# Allegro board RK3576_TEMPLATE_LP4XD200P132SD6_24X34_2133MHz_H1R6_V11_20240529YWQ.brd (continued)
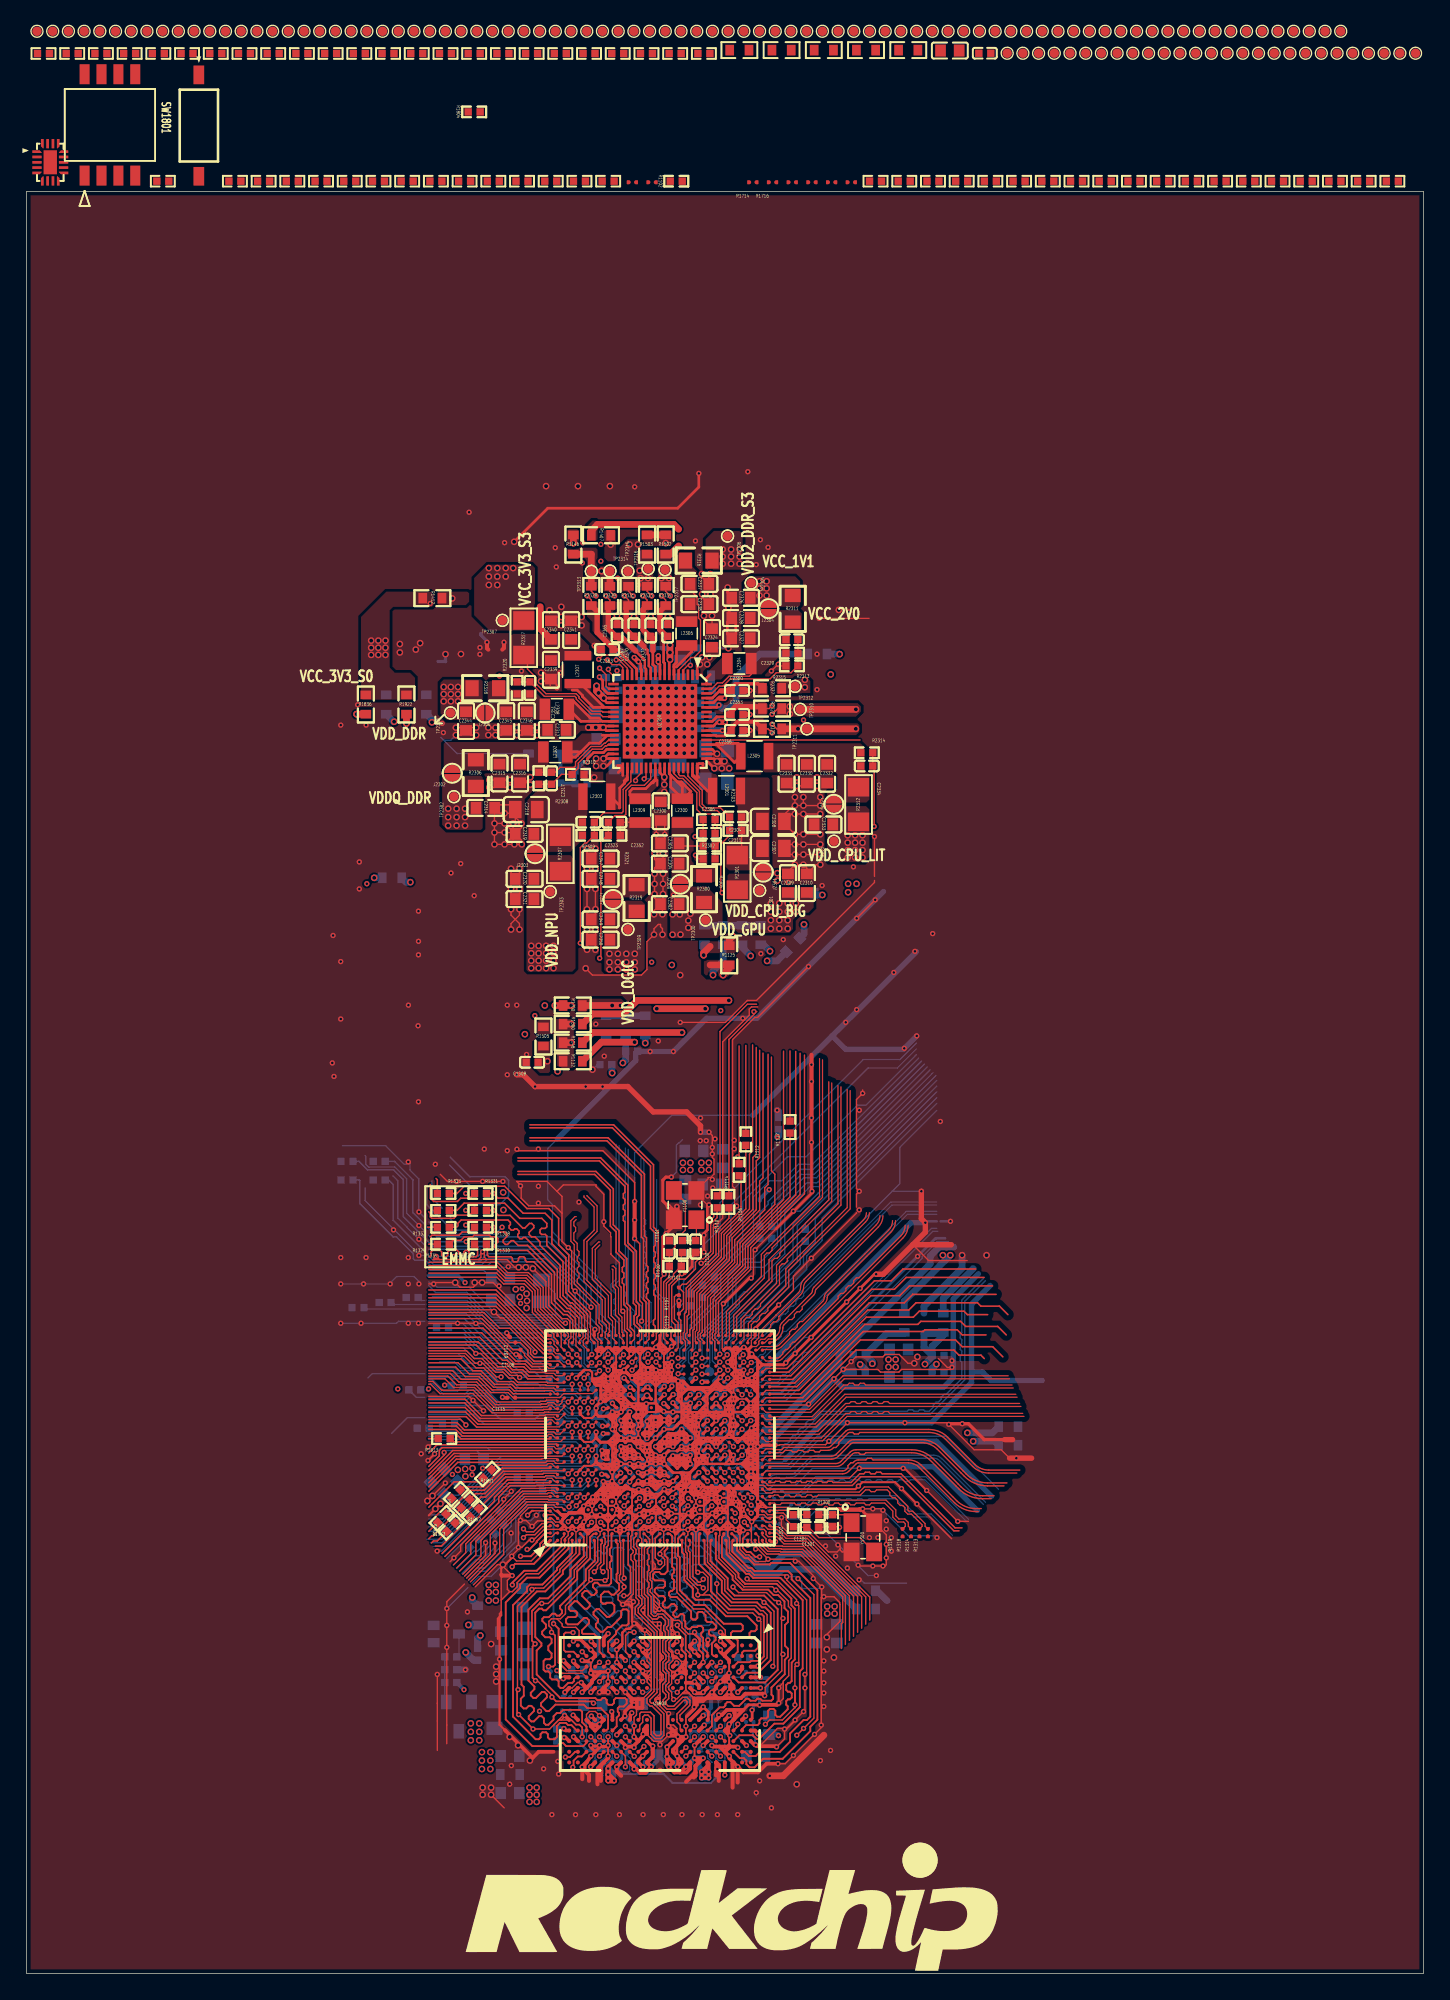
[diagram p0: board, top side]
## Routing (per net, layer and track width the routed paths; a pad name or vN(x,y) marks a point on that pad's centre or on a via; arc(x,y) is an arc through that point) (continued)
  L4-SIG w0.089: v1(46.73,34.56) 46.44,34.84 46.44,35.48 v1(46.73,35.76) ; v1(44.88,34.6) 45.53,33.95 45.53,33.34 46.23,32.64 46.23,32.51 ; 51.85,23.67 51.85,22.91 v1(51.52,22.59) 51.98,22.13 ; 43.85,17.14 43.92,17.14 44.24,16.81 44.4,16.81 44.7,16.51 ; 43.81,22.74 43.86,22.74 44.34,22.26 44.51,22.26 44.7,22.07 44.7,21.8 44.51,21.61 44.2,21.61 43.81,21.23 ; 39.98,26.7 39.62,27.05 39.37,26.8 ; v1(54.99,35.46) 54.99,32.54 54.97,32.51 ; v1(39.47,25.65) 39.37,25.75
  L4-SIG w0.102: v1(51.52,21.14) 51.17,20.78 50.08,20.78 49.87,20.99 49.87,21.58 ; 43.94,30.3 43.94,29.39 44.25,29.08 ; 43.94,30.3 43.94,30.46 43.81,30.59 ; 43.94,30.3 44.25,29.99 44.25,29.08 ; 37.97,30.34 37.97,31.73 38,31.75 v1(38,32.58) 37.64,32.23 37.3,32.23 37.1,32.03 v1(36.98,32.03) ; v1(50.22,16.19) 50.02,15.98 49.28,15.98 v1(48.92,16.34) 48.59,16.67 48.01,16.67 47.62,17.05 v1(47.62,17.2) 47.62,17.27 47.58,17.32 47.58,20.37 v1(47.48,20.47) 47.48,20.5 47.53,20.55 47.53,20.62 47.58,20.68 v1(47.58,26.28) v1(47.58,27.38) 47.58,28.87 46.86,29.59 46.86,33.22 v1(46.77,33.31) ; v1(52.17,21.94) 51.98,22.13 ; v1(49.57,18.59) 48.9,19.27 48.9,20.43 48.72,20.6 v1(48.65,20.6) 48.65,20.67 48.52,20.8 48.52,22.21 ; v1(49.57,18.59) 49.74,18.59 50.16,18.16 ; v1(49.57,18.59) 50,18.16 50.16,18.16 ; 37.85,25.17 37.85,24.38 ; 37.85,25.17 37.91,25.1 ; 37.85,25.17 37.85,28.72 37.91,28.78 ; 37.85,24.38 37.85,23.75 ; 37.85,24.38 v1(38.24,24.78) 37.91,25.1 ; 57.15,28.01 57.15,28.42 54.64,30.93 54.64,31.73 v1(54.82,31.91) ; 57.15,28.01 57.15,27.18 ; 57.15,28.01 v1(56.34,28.82) ; v1(44.93,33.36) 44.93,33.05 45.63,32.35 v1(45.63,27.94) 46.26,27.3 v1(46.35,27.3) 46.48,27.17 v1(46.48,25.8) 46.68,25.6 46.68,21.02 45.85,20.19 v1(45.67,20.19) 45.21,20.19 44.99,19.97 v1(44.99,19.35) ; 37.91,25.1 37.91,28.45 ; 48.53,33.33 48.53,33.3 48.52,33.3 48.52,25.92 ; v1(42.42,23.54) 42.42,23.47 43.03,22.86 43.6,22.86 v1(43.73,22.74) ; v1(42.42,23.54) v1(42.42,24.34) ; v1(42.42,23.54) v1(41.77,23.54) 41.16,24.15 ; v1(52.83,21.14) 53.18,20.78 53.62,20.78 53.91,21.07 53.91,22.84 53.65,23.1 53.34,23.1 ; v1(53.48,16.99) 53.42,16.93 51.78,16.93 51.57,17.14 v1(51.52,17.14) v1(50.87,17.79) 50.88,17.79 51.23,18.14 52.62,18.14 v1(52.88,17.89) 53.12,17.89 54.36,19.12 54.36,19.12 55.5,20.27 55.5,20.68 ; v1(53.48,16.99) 53.68,16.78 54.42,16.78 v1(54.82,17.19) 54.9,17.19 55.38,17.67 55.38,18.56 ; v1(53.48,16.99) 53.48,17.14 54.75,18.41 55.24,18.41 55.38,18.56 ; 55.38,18.56 v1(55.55,18.73) 56.55,19.73 v1(56.55,20.32) v1(56.55,21.46) ; v1(43.73,21.14) 43.81,21.23 ; 49.87,22.29 v1(50.22,21.94) 49.87,21.58 ; 49.87,22.29 49.87,21.58 ; 49.87,22.29 49.87,22.29 49.87,22.29 49.87,25.17 50.23,25.52 v1(50.23,25.65) 50.1,25.65 49.87,25.87 49.87,26.74 49.32,27.29 49.32,32.68 49.72,33.09 49.72,33.36 v1(49.73,33.36) ; 42.68,15.15 42.26,14.73 40.51,14.73 40.26,14.99 v1(40.01,14.99) 39.27,14.99 v1(38.87,15.38) 36.97,17.28 ; 42.68,15.15 42.14,15.15 v1(41.77,15.52) 41.77,15.88 41.02,16.64 40.01,16.64 39.27,17.37 39.27,19 38.57,19.7 v1(38.57,19.71) ; 42.68,15.15 42.81,15.28 42.95,15.28 v1(42.96,15.27) ; 50.16,18.16 50.42,18.16 50.55,18.29 ; v1(54.99,23.11) 55.25,22.86 55.25,22.82 55.62,22.45 55.62,22.09 55.55,22.03 55.55,21.09 55.5,21.03 v1(55.5,20.88) 55.5,20.68 ; v1(54.99,23.11) 54.99,22.86 54.83,22.7 54.83,20.38 55.02,20.19 55.09,20.19 v1(55.12,20.17) 55.12,20.19 55.24,20.32 55.24,20.42 55.5,20.68 ; v1(54.99,23.11) v1(54.99,23.88) 55.29,24.18 55.29,26.41 55.07,26.63 v1(55.05,26.63) 55.05,26.64 55.05,26.78 54.48,27.35 54.48,28.19 54.23,28.45 53.38,28.45 53.12,28.72 v1(53.12,29.05) 53.12,29.94 52.51,30.55 52.51,34.18 52.12,34.57 v1(52.12,34.65) ; v1(52.84,16.32) 52.86,16.32 52.91,16.27 54.76,16.27 55.83,17.35 55.83,18.17 57.15,19.48 57.15,23.72 v1(56.87,23.99) v1(56.87,26.69) 56.87,26.9 57.15,27.18 ; v1(56.31,32.46) 56.53,32.25 56.73,32.25 57.8,31.18 v1(57.8,30.99) 58.07,30.99 59.15,29.9 v1(59.15,29.69) v1(59.79,29.05) 59.79,28.71 59.37,28.3 59.37,23.49 59.75,23.11 v1(59.75,18.67) 59.37,18.29 59.37,18.1 v1(59.25,17.97) v1(57.66,16.38) 57.04,15.76 v1(56.5,15.76) 55.58,14.84 53.4,14.84 52.97,15.27 52.04,15.27 v1(51.94,15.37) 51.89,15.37 51.67,15.59 50.43,15.59 49.56,14.72 45.19,14.72 v1(44.38,15.54) 44.73,15.89 44.73,16.48 44.7,16.51 ; v1(42.42,24.34) 42.04,24.72 42.04,25.47 ; v1(42.42,24.34) 42.83,24.74 42.83,25.11 42.57,25.37 42.14,25.37 42.04,25.47 ; 56.39,17.02 56.39,16.94 56.76,16.57 57.05,16.57 57.71,17.23 57.71,17.71 v1(57.91,17.91) v1(58.42,18.41) 58.53,18.52 58.53,19.58 v1(58.42,19.68) 58.53,19.79 v1(58.53,21.46) v1(58.53,22.48) 58.53,28.71 58.29,28.94 58.29,29.39 v1(58,29.68) 57.84,29.84 57.16,29.84 v1(57.15,29.83) ; 56.39,17.02 54.91,15.54 v1(53.48,15.54) 53.27,15.74 52.38,15.74 52.14,15.98 51.38,15.98 51.18,16.19 v1(50.88,16.19) ; 56.39,17.02 v1(56.39,17.03) 56.39,17.15 56.99,17.75 v1(56.99,18.37) 57.12,18.37 57.78,19.03 v1(57.78,19.05) 57.78,19.06 57.78,20.18 v1(57.77,20.19) 57.78,20.2 57.78,21.45 v1(57.77,21.46) 57.78,21.47 57.78,23 57.93,23.15 v1(57.93,23.23) 57.9,23.26 v1(57.9,27.81) 57.9,28.42 57.28,29.04 57.28,29.7 v1(57.15,29.83) ; 41.16,24.15 40.59,24.72 40.59,25.19 ; 41.16,24.15 41.16,24.94 v1(41.11,24.99) 40.8,24.99 40.59,25.19 ; 40.59,25.19 40.59,25.6 41.02,26.03 41.02,32.21 41.91,33.11 v1(41.91,33.95) 42.15,34.18 42.15,34.18 v1(42.48,34.52) ; v1(46.34,15.52) 46.75,15.11 48.5,15.11 v1(48.92,15.54) ; v1(50.87,19.39) 50.84,19.39 v1(50.2,20.02) 49.47,20.75 49.47,26.57 48.92,27.13 48.92,32.89 49.15,33.12 49.15,33.94 48.51,34.58 v1(48.48,34.58) ; v1(43.07,18.74) 43.45,18.36 43.45,17.51 v1(43.08,17.14) ; v1(43.07,18.74) 42.58,18.74 42.11,19.2 42.11,20.35 ; v1(43.07,18.74) v1(43.07,19.39) 42.11,20.35 ; 37.91,28.45 38,28.53 v1(38,28.87) 37.91,28.78 ; 37.91,28.45 37.91,28.78 ; 37.85,23.75 37.85,22.43 v1(38.26,22.01) v1(39.5,20.78) 39.52,20.78 39.99,20.3 ; 37.85,23.75 37.91,23.82 37.91,22.57 39.99,20.49 39.99,20.3 ; v1(43.08,21.14) 43.08,21.19 42.67,21.59 42.58,21.59 41.78,22.39 40.62,22.39 40.44,22.56 40.44,22.67 39.62,23.49 39.62,25.49 v1(39.47,25.65) ; 53.34,23.1 v1(52.83,22.59) ; 53.34,23.1 53.34,27.05 51.9,28.5 v1(51.9,29.3) ; 57.15,27.18 56.55,27.77 v1(56.55,27.88) ; v1(43.73,22.74) 43.73,22.77 44.07,23.11 44.1,23.11 v1(44.38,23.39) 44.07,23.69 44.07,23.75 43.94,23.88 43.94,25.33 v1(43.72,25.55) 44.59,25.55 44.83,25.79 44.83,26.97 44.25,27.54 44.25,29.08 ; v1(43.73,22.74) 43.81,22.74 ; 48.52,25.92 v1(48.92,25.52) 48.52,25.12 ; 48.52,25.92 48.52,25.12 ; 42.11,20.35 42.11,20.63 41.96,20.78 40.83,20.78 v1(40.48,21.14) 40.26,21.14 39.34,22.06 39.34,22.98 v1(39.24,23.07) ; 54.97,32.51 54.97,32.38 55.24,32.38 55.88,31.75 55.88,31.27 v1(55.75,31.14) 55.88,31.14 57.15,29.87 v1(57.15,29.83) ; 42.04,25.47 42.04,30.48 42.14,30.58 43.81,30.58 43.81,30.59 ; v1(43.73,21.94) 43.68,21.94 43.3,22.31 42.7,22.31 v1(42.42,22.59) 42.15,22.86 40.9,22.86 40.38,23.37 v1(40.38,23.51) 40.15,23.74 40.15,25.75 40.51,26.12 40.51,32.55 40.74,32.77 ; 52.18,25.52 52.53,25.17 52.53,24.82 52.18,24.46 v1(52.18,24.34) ; 52.18,25.52 51.82,25.17 51.82,24.69 v1(52.18,24.34) ; 52.18,25.52 v1(52.18,25.65) 52.18,26.31 50.47,28.01 v1(50.47,28.46) v1(50.47,30.15) 50.47,30.15 50.47,31.99 51.48,33.01 v1(51.48,33.32) 51.48,33.5 51.17,33.81 51.17,34.21 v1(51.56,34.6) ; 36.52,29.91 36.84,29.91 36.9,29.97 ; 39.37,26.8 39.29,26.72 39.29,25.82 39.37,25.75 ; 37.85,34.98 37.85,34.94 v1(38.33,34.45) ; 37.85,34.98 37.64,34.98 ; 37.85,34.98 38.43,34.98 38.53,34.88 38.53,34.65 v1(38.33,34.45) ; v1(38.96,32.16) 38.86,32.26 38.86,32.9 38.14,33.61 v1(38,33.61) ; 48.52,23.02 48.52,22.21 ; 48.52,23.02 48.52,23.48 48.52,23.49 48.52,25.12 ; 48.52,23.02 v1(48.92,22.61) 48.52,22.21 ; v1(38.33,34.45) 38.53,34.25 38.53,34.11 39.62,33.02 39.62,27.05 ; 39.47,25.68 v1(39.47,25.65) ; v1(39.47,25.65) 39.68,25.85 39.68,25.87 39.98,26.17 39.98,26.7 ; 43.81,30.59 44.11,30.59 44.21,30.69 44.21,32.21 43.13,33.3 v1(43.13,33.36) 43.13,33.37 43.52,33.77 43.52,34.06 43.13,34.46 v1(43.13,34.46) ; v1(52.18,24.34) 52.18,24 51.85,23.68 51.85,23.67 ; 39.99,20.3 40.45,19.84 v1(40.45,19.39) 40.88,19.81 41.2,19.81 41.45,19.56 41.45,18.11 v1(41.77,17.79) v1(42.43,17.14) ; 43.85,17.14 v1(43.72,17.14) ; 46.23,32.51 46.23,29.34 46.96,28.61 46.96,26.11 47.14,25.93 47.14,20.91 46.61,20.37 46.61,18.76 46.45,18.6 v1(45.69,18.6) ; v1(50.22,17.14) v1(49.58,17.79)
  L4-SIG w0.152: 36.9,30.29 36.9,30.94 v1(36.48,31.36) 36.57,31.45 36.57,32.44 ; 36.9,30.29 36.52,29.91 v1(36.51,29.91) 36.9,29.52 ; 36.9,30.29 36.9,29.52 ; v1(38.73,27.81) 38.85,27.7 38.85,25.46 39.12,25.19 39.12,23.2 v1(39.24,23.07) ; 36.9,29.52 36.9,21.39 v1(36.96,21.34) 37,21.3 37,21.27 38.56,19.71 v1(38.57,19.71) ; 36.57,32.44 36.43,32.58 v1(36.43,33.11) 36.43,33.76 37.64,34.98 ; 36.57,32.44 v1(36.98,32.03)
  L4-SIG w0.203: v1(56.55,21.46) 56.55,22.79 56.25,23.09 v1(56.11,23.09) 56.11,23.11 56.24,23.24 56.24,27.1 v1(55.45,27.89) 55.45,29.01 54.79,29.67 v1(54.17,29.67) 54.17,30.28 53.72,30.73 53.72,32.96 v1(53.32,33.36) ; v1(38.96,32.16) 38.86,32.06 38.86,27.94 v1(38.73,27.81) ; 37.97,28.89 v1(38,28.87) 38.1,28.97 38.1,30.21 37.97,30.34 37.97,28.89
  L4-SIG w0.254: 40.72,32.78 v1(40.72,33.36) v1(41.33,33.36) 40.74,32.77 40.72,32.78
  L4-SIG w0.305: v1(38.22,72.01) 38.22,72.15 35.92,74.44 35.92,81.17 34.29,82.8 34.29,87.88 32.78,89.39 32.78,94.25 33.66,95.12 33.66,98.04 ; 34.62,99.01 v1(34.62,100.08)
  L4-SIG w0.508: v2(61.07,102.51) 61.07,100.22 61.74,99.55 61.74,90.99 63.34,89.39 ; 37.15,15.94 35.43,17.65 35.43,19.56
  BOTTOM w0.089: v1(54.45,42.86) 54.12,43.18 53.47,43.18 v1(53.15,43.51) ; 48.5,49.22 48.5,49.53 ; C3800.2 45.12,16.43 45.42,16.13 45.42,15.73 45.35,15.66 45.35,15.24 45.26,15.15 C3843.2 ; U1000.2R5 52.18,39.28 v1(51.85,39.61) ; U1000.2R5 v1(53.15,38.96) ; U1000.2R5 52.83,39.88 C1405.2 ; 57.05,38.63 56.86,38.44 55.79,38.44 55.6,38.63 53.41,38.63 53.36,38.59 53.22,38.59 C1406.2 ; C1603.2 53.39,42.04 53.98,42.04 54.27,42.33 54.97,42.33 55.37,42.74 ; C1802.2 C1402.2 51.27,38.93 51.23,38.93 ; R1301.2 53.3,36.29 C1305.2 53.12,35.9 v1(53.32,35.69) ; v1(49.91,42.87) 50.22,43.18 50.91,43.18 C1600.2 ; 50.33,22.19 50.55,22.41 50.55,22.95 C3806.2
  BOTTOM w0.102: 39.91,62.75 39.18,62.01 39.18,58.17 39.54,57.8 39.54,57.74 ; v1(35.75,56.1) 35.24,55.58 31.17,55.58 30.24,56.51 ; v1(54.97,39.61) 55.1,39.48 56.03,39.48 v1(56.26,39.71) ; v1(44.4,97.95) 44.49,97.85 C2357.2 ; 32.35,30.45 33.66,31.75 33.91,31.75 34.52,32.36 v1(34.52,32.38) ; 30.24,41.78 32.49,41.78 v1(33.03,41.24) ; 29.94,55.79 v1(29.5,56.23) 28.57,57.15 28.57,59.73 27.68,60.62 25.72,60.62 25.5,60.84 25.5,61.43 25.45,61.48 ; 68.45,32.64 v1(68.45,32.77) 68.32,32.9 66.3,32.9 v1(64.39,34.82) 64.28,34.92 v1(63.63,34.92) v1(62.87,34.92) ; 65.09,58.8 v1(56.55,50.26) ; 65.09,58.8 v1(67.28,58.8) ; 65.09,58.8 65.66,59.37 65.66,62.1 68.44,64.88 ; v1(48.48,59.87) 48.86,60.25 48.86,62.29 49.02,62.45 49.09,62.45 49.32,62.69 ; 39.54,57.74 39.54,55.75 v1(40.73,54.57) 42.92,52.38 42.92,52.16 43.18,51.9 43.18,49.56 44.2,48.54 44.2,47.12 44.36,46.95 44.36,45.34 44.31,45.29 ; 39.54,57.74 39.53,57.75 ; C1038.2 34.37,52.86 30.32,52.86 30.24,52.94 ; C1038.2 35.74,53.09 v2(37,53.09) ; C1038.2 35.53,51.71 v1(35.53,51.68) ; v1(54.48,37.74) 54.92,37.29 C1404.2 55.8,37.97 57.4,37.97 59.49,40.06 60.27,40.06 v1(60.32,40.01) ; 51.51,62.41 51.56,62.36 v1(51.56,62.1) ; v1(29.5,51.84) 29.5,52.04 29.14,52.39 27.83,52.39 27.34,51.9 v1(27.34,51.84) v1(25.34,51.84) v1(23.62,51.84) ; 30.24,49.6 33.05,49.6 v1(33.78,48.87) 34.5,48.15 v1(36.1,48.15) 38.99,48.15 v1(39.04,48.1) ; C1114.2 36.8,46.3 v1(36.8,46.54) 36.73,46.61 v1(33.78,46.61) 32.97,47.42 30.24,47.42 ; 54.6,34.04 55.63,34.04 56.59,33.07 60.17,33.07 61,32.24 v1(61,32.22) 61.03,32.22 61.37,31.88 61.37,31.85 v1(62.53,30.69) 62.53,30.65 63.26,29.91 v1(63.9,29.91) ; 54.6,34.04 v1(54.53,33.96) ; 54.6,34.04 54.86,34.29 56.75,34.29 v1(56.76,34.28) 56.77,34.29 57.18,34.29 57.28,34.19 57.28,34.16 58.7,34.16 59.49,34.96 v1(60.11,34.96) ; 51.52,99.64 52.76,99.64 v2(52.77,99.63) ; v1(38.23,46.71) 37.36,47.58 34.08,47.58 32.78,48.88 v1(32.41,48.88) 32.41,48.9 32.29,49.02 30.24,49.02 ; 32.73,30.07 33.78,31.12 34.29,31.12 35.22,32.05 v1(35.22,32.36) ; C3802.2 43.15,20.32 v1(42.62,20.32) ; v1(62.6,29.59) 62.74,29.59 62.99,29.34 66.17,29.34 ; 27.45,40.6 28.63,41.78 29.94,41.78 ; 39.75,49.52 39.89,49.52 v1(40.52,48.89) ; 39.75,49.52 39.75,51.12 C1040.2 ; 39.75,49.52 35.36,49.52 v2(35.14,49.73) 33.3,51.58 30.87,51.58 v1(30.61,51.84) 30.4,51.84 30.24,52 ; 40.37,33.78 40.37,33.71 v1(40.72,33.36) ; 40.37,33.78 39.35,34.8 38.68,34.8 v1(38.33,34.45) 37.92,34.04 37.16,34.04 v1(37.13,34.06) 37.13,34.01 37.08,33.96 37.08,33.93 37.01,33.86 37.01,32.07 v1(36.98,32.03) 36.74,32.03 35.81,31.11 v2(35.81,30.73) 34.92,29.84 34.01,29.84 33.48,29.32 ; 40.37,33.78 40.37,34.11 40.77,34.5 41.21,34.5 41.26,34.54 41.3,34.54 41.36,34.6 41.37,34.6 v1(41.89,35.12) ; C1303.2 50.57,32.73 51.9,31.41 v1(51.9,29.3) 51.9,27.06 51.87,27.03 ; v1(36.43,33.11) 36.43,32.43 34.48,30.48 33.88,30.48 33.1,29.7 ; v2(32.28,93.1) 31.89,92.71 31.37,92.71 ; 29.94,53.95 29.91,53.98 v1(29.5,53.98) 29.5,54.07 27.67,55.9 v1(27.59,55.9) 27.59,55.98 25.45,58.12 25.45,59.05 ; v1(36.44,36.25) 35.69,36.25 31.2,31.75 v1(30.87,31.75) ; R1301.2 53.81,36.32 55.75,36.32 56.13,36.7 57.82,36.7 59.09,37.97 v1(62.61,37.97) 62.74,38.1 ; v1(50.22,21.94) 50.22,22.09 50.33,22.19 ; v1(30.18,38.56) v1(30.68,39.06) ; v1(57.15,29.83) 57.16,29.84 57.93,29.84 58.29,29.47 58.29,28.94 59.68,28.94 v1(59.79,29.05) ; v1(30.8,53.91) v1(32.13,53.91) 33.94,53.91 v1(34.29,54.25) ; v1(53.92,45.36) 53.26,46.02 53.26,46.69 52.96,46.99 52.96,47.54 53.87,48.46 v1(54.83,48.46) ; C1406.2 52.83,38.19 52.52,38.19 52.38,38.33 51.86,38.33 C1802.2 ; 31.37,92.71 31.15,92.93 ; 31.37,92.71 32.37,91.71 D2301.1 ; 54.6,64.52 48.51,64.52 45.72,61.72 v1(45.72,56.64) v1(45.72,55.25) 45.72,50.68 46.24,50.15 v1(46.24,49.05) 46.1,48.91 46.1,47.12 46.19,47.02 46.19,45.85 ; 30.24,37.84 31.39,38.99 v1(31.39,39.17) 31.54,39.32 33.83,39.32 34.36,38.8 C1031.2 34.36,38.04 v1(34.29,37.97) 34.29,37.75 32.49,35.96 C1030.2 ; 48.5,49.22 v1(48.5,47.13) 48.5,46.99 48.16,46.66 48.16,46.1 48.31,45.96 v1(48.52,45.96) ; 30.24,54.45 30.25,54.44 34.1,54.44 v1(34.29,54.25) ; v1(42.44,50.09) 42.44,51.79 39.22,55.01 v1(33.05,55.01) 30.71,55.01 30.24,55.48 ; 29.94,49.02 27.96,49.02 27.81,48.88 v1(25.15,48.88) v1(23.62,48.88) ; v1(34.29,54.25) 34.48,54.44 38.91,54.44 41.87,51.48 41.87,49.28 v1(42.73,48.42) ; v1(49.27,52.6) 49.05,52.38 v1(49.05,50.56) 48.5,50.01 48.5,49.53 ; C3815.2 45.03,17.1 v1(45.03,16.99) ; C3815.2 45.67,17.75 v1(45.67,17.79) 45.67,17.82 C3840.2 45.66,18.53 45.66,18.57 v1(45.69,18.6) ; C3815.2 45.67,17.04 v1(45.67,16.99) ; v1(57.65,57.31) 58.17,57.31 59.51,58.65 59.51,58.65 68.37,67.51 ; C1702.2 42.93,68.33 v2(42.55,67.94) ; 27.53,59.97 27.91,59.59 27.91,56.8 28.6,56.11 28.6,56.09 v1(29.5,55.19) 29.94,54.76 ; v1(43.05,46.56) 42.8,46.81 42.8,47.38 41.25,48.94 v1(41.25,51.3) 41.02,51.53 41.02,51.73 39.03,53.72 34.67,53.72 34.23,53.28 30.61,53.28 30.24,53.65 ; C3841.2 51.69,25.38 51.69,25.02 51.18,24.51 51.18,23.69 v1(50.88,23.39) ; 62.89,48.87 57.07,43.05 55.69,43.05 55.37,42.74 ; 29.94,45.09 25.98,45.09 25.67,44.77 ; v1(54.82,31.91) 54.82,32.21 54.38,32.64 53.98,32.64 53.88,32.74 v1(53.88,33.31) ; 31.45,31.35 35.74,35.64 v1(35.88,35.64) ; v1(32.13,31.24) 31.85,30.96 ; R2332.2 42.2,89.45 v2(42.67,89.92) 42.17,90.41 C2368.2 ; v1(54.86,13.59) 54.86,13.34 ; v1(57.09,45.91) 57.09,46.16 57.53,46.61 v1(57.78,46.61) 57.78,47.12 58.48,47.82 v1(58.99,47.82) v1(61.66,50.48) ; v1(34.35,42.3) 30.24,42.3 ; 29.94,56.81 v1(29.5,57.25) 29.5,59.73 28.83,60.39 28.83,60.88 v1(28.7,61.01) 28.52,60.83 28.39,60.83 26.99,62.23 23.75,62.23 ; 30.24,46.6 32.44,46.6 33.17,45.87 v1(34.09,45.87) 36,45.87 v1(37.07,44.8) 37.4,44.8 C1110.2 ; v1(31.6,27.43) 33.18,29.01 ; v1(33.57,43.08) 33.39,42.91 30.24,42.91 ; v2(34.29,13.97) v2(34.29,13.43)
  BOTTOM w0.114: 33.68,56.1 33.46,55.88 32,55.88 30.1,57.78 30.1,59.22 ; 33.68,58.64 33.68,58.9 31.81,60.78 ; 30.48,59.6 30.48,58.29 31.24,57.53 ; 33.68,57.37 33.68,57.69 33.79,57.8 35.58,57.8 36.24,58.47 36.24,59.62 35.96,59.9 33.32,59.9 31.85,61.36
  BOTTOM w0.14: v1(49.24,39.61) 49.24,39.6 48.9,39.26 48.3,39.26 C1002.2
  BOTTOM w0.152: 47.37,15.01 47.88,15.01 ; 47.37,15.01 45.98,15.01 ; 47.37,15.01 v1(47.62,15.27) 47.88,15.01 ; 47.88,15.01 48.57,14.32 51.45,14.32 51.85,14.73 51.85,15.27 v1(51.94,15.37) ; 50.37,25.52 50.68,25.52 50.97,25.81 51.44,25.81 ; 45.98,15.01 46.34,15.37 v1(46.34,15.52) ; 45.98,15.01 44.82,15.01 44.66,15.17 ; 47.38,42.93 47.38,42.78 v1(47.91,42.25) ; 51.44,25.81 51.61,25.81 51.87,26.06 51.87,27.03 ; 51.44,25.81 C3841.2 ; v1(53.15,41.56) 52.79,41.92 52.35,41.92 52,41.56 v1(51.85,41.56) ; v1(44.05,42.21) 44.05,42.03 43.75,41.73 C1034.2 43.32,41.72 43.29,41.72 ; C3832.2 55.42,21.88 55.02,21.88 54.79,22.12 54.79,22.68 ; C1601.2 52.97,44 v1(52.17,44.8) ; C3826.2 50.65,25.11 50.98,24.78 50.98,24.4 50.88,24.3 v1(50.88,23.39) ; 44.02,38.48 43.72,38.78 43.72,39.28 44.18,39.74 C1029.2 43.72,39.94 43.69,39.98 43.31,39.98 42.98,39.65 C1902.2 42.89,39.62 42.89,38.99 42.83,38.92 ; 43.37,42.99 44.05,42.31 ; C3811.2 54.61,18.85 54.61,17.88 54.77,17.71 54.77,17.23 v1(54.82,17.19) ; v1(47.95,38.31) v1(47.3,38.31)
  BOTTOM w0.203: v1(62.87,34.92) 62.84,34.9 60.16,34.9 v1(60.11,34.96) ; C1116.2 43.29,41.72 C1309.2 ; C1700.2 45.82,43.61 45.82,42.89 C1036.2 ; v1(54.48,37.74) v1(54.48,37.09) 54.91,37.09 C1404.2 ; 43.37,42.99 43.37,42.99 v1(43.16,42.99) ; C1409.2 55.21,43.6 56.68,43.6 v1(67,53.91) 68.35,55.27 69.05,55.27 ; v1(67.58,56.44) 67.68,56.54 68.44,56.54 ; 44.05,42.31 v1(44.05,42.21) ; v1(69.47,56.54) 68.74,56.54
  BOTTOM w0.229: v1(55.12,20.17) 55.12,20.57 54.89,20.8 C3813.2 54.89,21.03 55.35,21.03 v1(55.5,20.88) ; 55.13,45.08 54.84,45.08 v1(54.53,44.76) v1(53.92,44.76) v1(53.92,45.36) ; C1009.2 50.25,38.62 v1(50.55,38.92) ; v1(43.36,36.98) 43.38,36.97 43.98,36.97 v1(44.02,37.01) ; R1402.2 54.77,41.25 v1(54.51,40.99) 54.71,40.79 R1400.2
  BOTTOM w0.254: C3818.2 43.25,15.78 43,15.53 43,15.51 42.98,15.49 42.98,15.45 42.96,15.43 v1(42.96,15.27) ; v1(44.7,40.26) 44.7,40.26 C1026.2 45.35,40.25 v1(45.35,40.26) ; v1(44.7,40.26) 44.38,40.57 C1901.2 ; v1(44.7,40.26) 44.38,39.94 C1029.2 44.18,40.46 C1901.2 ; v1(44.7,40.26) 45.02,40.58 C1035.2 45.35,40.27 v1(45.35,40.26) ; v2(31.5,99.19) 31.5,98.63 30.94,98.63 ; v1(44.93,45.36) v1(45.53,44.76) 45.53,44.53 46.09,43.96 C1700.2 ; v1(45.03,21.14) 45.03,21.24 C3834.2 45.67,21.89 v1(45.67,21.94) 45.86,22.12 C3842.2 45.87,22.29 v1(46.33,22.74) ; v1(50.54,39.61) 50.87,39.29 C1400.2 50.94,39.19 v1(51.2,38.93) 51.23,38.93 ; v1(50.54,39.61) 50.45,39.61 C1010.2 ; v1(50.54,39.61) 50.54,40.12 C1000.2 ; v1(49.89,39.61) 49.99,39.61 C1010.2 ; C1901.2 44.05,40.82 v1(44.05,40.91) 43.75,41.2 C1034.2 ; C1010.2 50.25,39.84 50.86,40.44 ; C1006.2 49.31,41.84 49.31,41.63 48.86,41.18 C1005.2 ; v1(42.42,23.54) 42.46,23.54 42.98,24.06 42.98,25.47 40.89,27.56 40.89,32 42.25,33.36 v1(43.13,33.36) ; v1(46,40.26) 46,40.17 45.76,39.93 ; v1(45.68,23.39) 45.68,23.51 C3830.2 ; C1002.2 47.98,38.99 47.98,38.99 v1(47.94,38.96) ; v1(47.3,38.31) 47.21,38.31 46.98,38.54 46.74,38.31 v1(46.65,38.31) ; 45.76,39.93 45.76,39.85 46,39.61 v1(46,39.61) ; 45.76,39.93 C1024.2 U1000.2D6 45.35,40.26 v1(45.35,40.26) ; C3832.2 55.66,21.19 55.5,21.03 v1(55.5,20.88) ; v1(44.38,23.39) v1(43.73,22.74) ; v1(46,41.56) 46,41.46 C1017.2 46,41.01 v1(46,40.91) ; C1116.2 43.94,42.1 v1(44.05,42.21) ; v1(50.23,25.65) 50.35,25.52 50.37,25.52 50.6,25.29 ; C1406.2 53.2,38.59 53.2,38.91 v1(53.15,38.96) ; v1(46.33,24.34) 46.33,24.35 C3828.2 ; C1602.2 50.37,41.95 C1118.2 ; v1(45.35,38.31) 45.59,38.07 45.76,38.07 v1(46,38.31) 46.09,38.31 46.33,38.54 46.39,38.54 46.65,38.28 46.67,38.28 ; C3807.2 42.15,24.62 v1(42.42,24.34) ; 34.14,100.74 34.14,100.64 34.62,100.17 v1(34.62,100.08)
  BOTTOM w0.279: v1(48.92,15.54) 48.73,15.73 C3827.2
  BOTTOM w0.305: C1000.2 50.86,40.55 v1(50.52,40.88) 50.31,41.1 C1504.2 50.31,41.37 v1(50.52,41.58) 50.33,41.78 C1118.2 ; R1401.2 54.45,38.05 54.45,37.76 v1(54.48,37.74) ; C3819.2 40.48,20.94 v1(40.48,21.14) ; C1203.2 46.72,36.37 v1(46.69,36.37) 46.46,36.14 C1201.2 ; C1203.2 47.73,36.4 v1(47.95,36.4) 48.18,36.18 C1200.2 48.42,36.32 48.52,36.32 v1(48.63,36.44) ; C1203.2 47.09,35.76 v1(46.73,35.76) 46.36,36.13 C1201.2 ; v1(43.73,44.71) 44.32,44.12 C1510.2 C1507.2 ; v1(43.73,44.71) 43.71,44.72 C1113.2 42.96,44.39 C1111.2 42.8,43.64 C1112.2 42.99,43.14 43.01,43.14 v1(43.16,42.99) ; v1(43.73,44.71) 44.31,45.29 C1308.2 44.86,45.29 v1(44.93,45.36) ; C1309.2 42.57,42.19 42.83,42.44 v1(42.83,42.5) 42.83,42.57 43.16,42.9 v1(43.16,42.99) ; v1(43.16,42.99) 43.31,43.14 43.31,43.44 C1801.2 ; v1(49.24,39.61) 49.25,39.61 49.48,39.84 C1011.2 49.67,39.84 v1(49.89,39.61) ; 44.66,15.17 44.38,15.45 v1(44.38,15.54) ; R1600.2 53.32,45.36 v1(53.92,45.36) ; v1(43.36,36.98) 43.29,36.91 R1203.2 ; C1201.2 46.27,36.14 v1(46.03,36.38) ; v1(54.45,42.86) 54.94,43.35 C1409.2 ; 46.6,42.81 46.63,42.77 C1018.2 46.63,42.4 ; 46.6,42.81 v1(46.6,42.82) ; 46.6,42.81 v1(46,42.21) 45.69,41.9 C1033.2 46,41.57 v1(46,41.56) ; v1(47.95,38.31) 47.64,38 C1206.2 47.61,38 v1(47.3,38.31) 46.98,37.99 C1208.2 46.97,37.99 v1(46.65,38.31) 46.33,37.99 C1207.2 46.32,37.99 v1(46,38.31) ; 46.19,45.85 46.19,45.21 C1703.2 ; v1(45.35,38.31) 45.13,38.09 C1027.2 44.92,38.09 v1(44.7,38.31) 44.53,38.48 44.02,38.48 43.72,38.18 C1214.2 ; C1016.2 45.77,40.49 v1(46,40.26) ; C1016.2 45.68,40.59 v1(45.35,40.26) ; C1016.2 45.77,40.68 v1(46,40.91) ; 49.02,42.41 C1023.2 48.81,42.41 v1(48.6,42.21) 48.4,42.01 48.15,42.01 v1(47.91,42.25) ; 49.02,42.41 49.53,42.93 C1102.2 49.78,43 v1(49.91,42.87) 49.91,42.45 C1006.2 49.38,42.41 49.02,42.41 ; v1(45.03,16.99) 45.12,16.89 C3800.2 ; v1(45.67,20.19) 46.27,20.19 C3821.2 ; v1(43.07,18.74) 42.88,18.93 42.72,18.93 ; v1(51.2,38.93) 50.91,38.63 C1300.2 50.86,38.61 v1(50.55,38.92) ; v1(53.15,41.56) 53.37,41.34 C1509.2 53.37,41.12 v1(53.15,40.91) 53.37,40.69 C1408.2 ; v1(50.87,19.39) 50.97,19.48 C3837.2 51.29,19.8 51.47,19.97 C3816.2 51.47,21.08 v1(51.52,21.14) ; C3833.2 48.95,22.58 v1(48.92,22.61) ; 42.72,18.93 43.07,19.29 v1(43.07,19.39) ; 42.72,18.93 C3808.2 ; v1(47.3,38.96) 47.4,38.86 ; 47.4,38.86 47.53,38.73 C1003.2 47.71,38.73 47.84,38.86 ; 47.4,38.86 47.84,38.86 ; v1(46.73,45.37) 46.73,45.36 v1(47.33,45.36) 46.98,45.02 C1701.2 46.73,45.25 v1(46.73,45.37) ; v1(46.73,45.37) 46.43,45.07 C1703.2 ; C3822.2 47.62,17.65 v1(47.62,17.2) ; C1015.2 46.98,40.55 47.28,40.25 v1(47.29,40.25) 47.52,40.47 C1004.2 47.63,40.6 47.93,40.91 v1(47.93,40.91) 48.17,41.15 C1001.2 48.29,41.12 48.84,41.12 C1005.2 ; v1(40.45,19.39) 40.45,19.49 40.29,19.66 C3809.2 ; C3839.2 49.99,15.95 v1(50.22,16.19) 50.29,16.26 50.81,16.26 v1(50.88,16.19) ; C3838.2 50.02,21.73 v1(50.22,21.94) ; C1902.2 42.51,40.05 C1900.2 42.62,40.36 42.62,40.49 v1(42.83,40.7) ; C3805.2 42.42,23.39 v1(42.42,23.54) ; C1703.2 46.21,45.07 45.9,44.76 v1(45.53,44.76) ; 47.84,38.86 v1(47.94,38.96) ; C1405.2 52.2,40.49 51.67,39.96 C1503.2 51.62,39.84 v1(51.85,39.61) ; v1(43.73,22.74) 43.49,22.97 C3810.2 43.36,22.95 42.79,22.95 v1(42.42,22.59) ; v1(41.77,17.79) 41.77,18.17 C3812.2 ; C3844.2 44.01,24.34 v1(44.38,24.34) ; C3818.2 43.31,15.92 v1(43.72,16.34) ; v1(39.24,23.07) 39.24,22.86 C3831.2 ; C3806.2 50.65,23.16 v1(50.88,23.39) ; v1(49.72,36.36) 50.01,36.64 50.01,36.77 50.19,36.77 v1(50.52,36.44) ; v1(44.05,42.21) 44.27,42.43 C1032.2 44.48,42.43 v1(44.7,42.21) ; 46.98,38.54 46.65,38.87 v1(46.65,38.96) ; v1(45.69,18.6) 45.66,18.62 45.66,18.68 v1(44.99,19.35) ; C1020.2 47.38,42.93 ; C1214.2 43.62,37.97 42.9,37.97 42.5,38.37 42.5,38.42 C1903.2 42.67,38.59 42.67,38.74 v1(42.83,38.9) 42.83,38.92 ; C1214.2 43.72,37.99 v1(44.02,37.68) 44.25,37.46 C1800.2 44.25,37.24 v1(44.02,37.01) ; v1(52.18,25.65) 52.05,25.52 51.83,25.52 C3841.2 ; v1(46.34,15.52) 46.48,15.67 C3829.2 ; C1105.2 48,44.18 v1(47.95,44.12) 47.94,44.13 47.62,44.13 C1104.2 ; 48.24,42.56 47.95,42.84 v1(47.91,42.84) ; v1(52.17,44.8) 51.99,44.8 C1502.2 51.72,44.26 C1500.2 51.38,43.76 50.96,43.34 C1600.2 51.06,43.13 51.06,42.64 C1602.2 50.98,42.54 51.53,41.99 C1506.2 51.53,41.87 v1(51.85,41.56) ; C1106.2 49.28,44.71 49.1,44.53 v1(48.99,44.53) 48.99,44.14 C1117.2 49.19,43.94 C1103.2 49.37,44.21 C1106.2
  BOTTOM w0.406: 60.58,70.49 61.6,69.47 65.92,69.47 v1(65.99,69.55) v1(66.93,70.48) ; 60.58,70.49 54.6,64.52 ; 60.58,70.49 v1(61.59,71.5) 66.91,76.82 ; 39.91,62.75 45.8,68.63 45.8,69.19 C1704.2 45.98,69.31 v1(46.89,69.31) v1(48.63,69.31) 51.13,71.81 v1(53.85,71.81) 54.9,71.81 v1(58.79,75.7) v1(62.41,79.32) v1(63.81,80.72) 64.43,81.34 ; v1(40.42,17.74) 40.12,17.74 C3825.2 ; 72.55,35.87 68.41,40.01 v1(60.32,40.01) ; 71.49,34.81 68.2,38.1 62.74,38.1 ; 72.45,51.72 71.05,50.32 71.05,45.21 ; 55.13,45.08 66.5,56.44 v1(67.58,56.44) ; 71.05,45.21 71.88,45.21 72.52,44.58 76.36,44.58 ; 71.05,45.21 71.05,44.42 68.04,41.4 59.82,41.4 57.05,38.63 ; v1(56.26,39.71) 56.26,40.26 v1(58.8,42.8) v1(60.71,44.7) 61.34,44.07 68.94,44.07 69.68,44.81 69.68,45.46 v1(69.58,45.56) 69.68,45.66 69.68,50.71 71.57,52.6 ; v1(51.31,63.25) v1(50.67,63.25)
  BOTTOM w0.508: v1(61.41,45.41) 61.59,45.22 C1505.2 ; C3845.2 v1(32.99,22.83) ; v1(56.44,64.89) 56.55,64.77 C1501.2 ; v1(50.32,33.36) 50.32,32.85 C1303.2 ; 67.47,49.64 67.47,50.15 70.34,53.02 v2(70.34,54)
  vias: v1(23.04,78.03) v1(22.99,68.45) v1(23.11,67.44) v1(23.62,93.85) v1(23.62,76.07) v1(23.62,71.75) v1(23.62,53.82) v1(24.89,95.38) v1(25.02,83.57) v1(25.02,81.53) v1(25.53,93.85) v1(25.53,53.82) v1(30.73,60.83) v1(31.24,93.98) v1(31.34,93.29) v1(33.02,58.64) v1(33.02,57.37) v1(33.02,56.26) v1(33.15,27.18) v1(33.27,109.86) v1(33.66,81.03) v1(34.09,99.68) v1(34.09,99.17) v1(34.42,61.98) v1(35.94,107.57) v1(36.32,14.22) v1(36.45,15.62) v1(37.21,97.92) v1(37.59,69.09) v1(38.48,61.98) v1(38.48,59.18) v1(38.48,57.91) v1(39.5,11.94) v1(39.75,107.19) v1(39.83,105.74) v1(39.94,15.94) v1(40.1,97.79) v1(41.27,11.94) v1(41.53,57.99) v1(41.82,107.56) v1(41.78,106.05) v1(42.8,71.37) v1(42.8,11.94) v1(43.18,107.44) v1(43.18,106.17) v1(43.43,68.96) v1(44.45,104.9) v1(44.58,11.94) v1(45.72,111.77) v1(46.35,11.94) v1(47.5,70.1) v1(47.88,11.94) v1(49.28,11.94) v1(50.29,107.7) v1(50.67,64.31) v1(50.65,62.61) v1(50.67,57.78) v1(50.8,11.94) v1(51.11,62.61) v1(51.2,58.44) v1(51.56,59.69) v1(51.52,56.94) v1(51.59,59.05) v1(51.77,62.74) v1(51.94,11.94) v1(53.21,62.64) v1(53.21,61.99) v1(53.47,11.94) v1(54.23,112.9) v1(54.86,105.92) v1(55.12,14.48) v1(55.18,107.79) v1(55.21,76.67) v1(55.75,107.21) v1(56.01,12.45) v1(56.52,98.42) v1(56.9,77.72) v1(57.28,82.02) v1(58.42,94.23) v1(59.44,99.19) v1(59.44,96.52) v1(59.69,16) v1(59.82,81.79) v1(59.94,23.5) v1(59.94,22.73) v1(59.94,21.84) v1(59.94,21.08) v1(59.94,20.07) v1(60.07,32.13) v1(60.45,16.76) v1(60.83,31.37) v1(61.72,30.47) v1(61.83,102.36) v1(62.17,83.2) v1(62.41,72.46) v1(62.61,64.9) v1(62.61,57.4) v1(63.37,32.77) v1(64.01,32.77) v1(64.64,34.04) v1(64.64,33.4) v1(65.02,32.77) v1(65.02,31.75) v1(65.21,75.25) v1(66.8,76.84) v1(68.13,78.17) v1(68.71,64.05) v1(69.58,46.07) v2(28.07,99.95) v2(28.07,99.31) v2(29.27,99.53) v2(29.59,100.01) v2(32.66,99.2) v2(34.92,24.77) v2(34.92,13.97) v2(35.31,23.06) v2(35.31,22.5) v2(35.31,21.95) v2(35.83,58.72) v2(35.85,57.4) v2(36.32,17.78) v2(36.96,17.14) v2(37.85,16) v2(39.06,111.82) v2(39.32,102.49) v2(40.21,102.74) v2(41.46,111.82) v2(43.86,111.82) v2(45.18,96.62) v2(45.18,96.01) v2(45.18,95.4) v2(45.18,94.79) v2(45.18,94.18) v2(45.18,93.57) v2(45.18,92.96) v2(45.18,92.35) v2(45.18,91.74) v2(45.79,96.62) v2(45.79,96.01) v2(45.79,95.4) v2(45.79,94.79) v2(45.79,94.18) v2(45.79,93.57) v2(45.79,92.96) v2(45.79,92.35) v2(45.79,91.74) v2(46.4,96.62) v2(46.4,96.01) v2(46.4,95.4) v2(46.4,94.79) v2(46.4,94.18) v2(46.4,93.57) v2(46.4,92.96) v2(46.4,92.35) v2(46.4,91.74) v2(47.01,96.62) v2(47.01,96.01) v2(47.01,95.4) v2(47.01,94.79) v2(47.01,94.18) v2(47.01,93.57) v2(47.01,92.96) v2(47.01,92.35) v2(47.01,91.74) v2(47.62,96.62) v2(47.62,96.01) v2(47.62,95.4) v2(47.62,94.79) v2(47.62,94.18) v2(47.62,93.57) v2(47.62,92.96) v2(47.62,92.35) v2(47.62,91.74) v2(48.23,96.62) v2(48.23,96.01) v2(48.23,95.4) v2(48.23,94.79) v2(48.23,94.18) v2(48.23,93.57) v2(48.23,92.96) v2(48.23,92.35) v2(48.23,91.74) v2(48.84,96.62) v2(48.84,96.01) v2(48.84,95.4) v2(48.84,94.79) v2(48.84,94.18) v2(48.84,93.57) v2(48.84,92.96) v2(48.84,92.35) v2(48.84,91.74) v2(49.15,75.06) v2(49.45,96.62) v2(49.45,96.01) v2(49.45,95.4) v2(49.45,94.79) v2(49.45,94.18) v2(49.45,93.57) v2(49.45,92.96) v2(49.45,92.35) v2(49.45,91.74) v2(50.06,96.62) v2(50.06,96.01) v2(50.06,95.4) v2(50.06,94.79) v2(50.06,94.18) v2(50.06,93.57) v2(50.06,92.96) v2(50.06,92.35) v2(50.06,91.74) v2(57.91,89.92) v2(57.91,14.22) v2(59.44,89.92) v2(59.44,89.28) v2(60.17,24.36) v2(60.71,23.75) v2(61.77,81.92) v2(61.77,81.28) v2(62.41,81.92) v2(66.98,46.36) v2(72.18,54)
